# Allegro board RK3576_Template_LP5D315P132SD8_25x36_2400MHz_H1R6_V11_20240530YWQ.brd (continued)
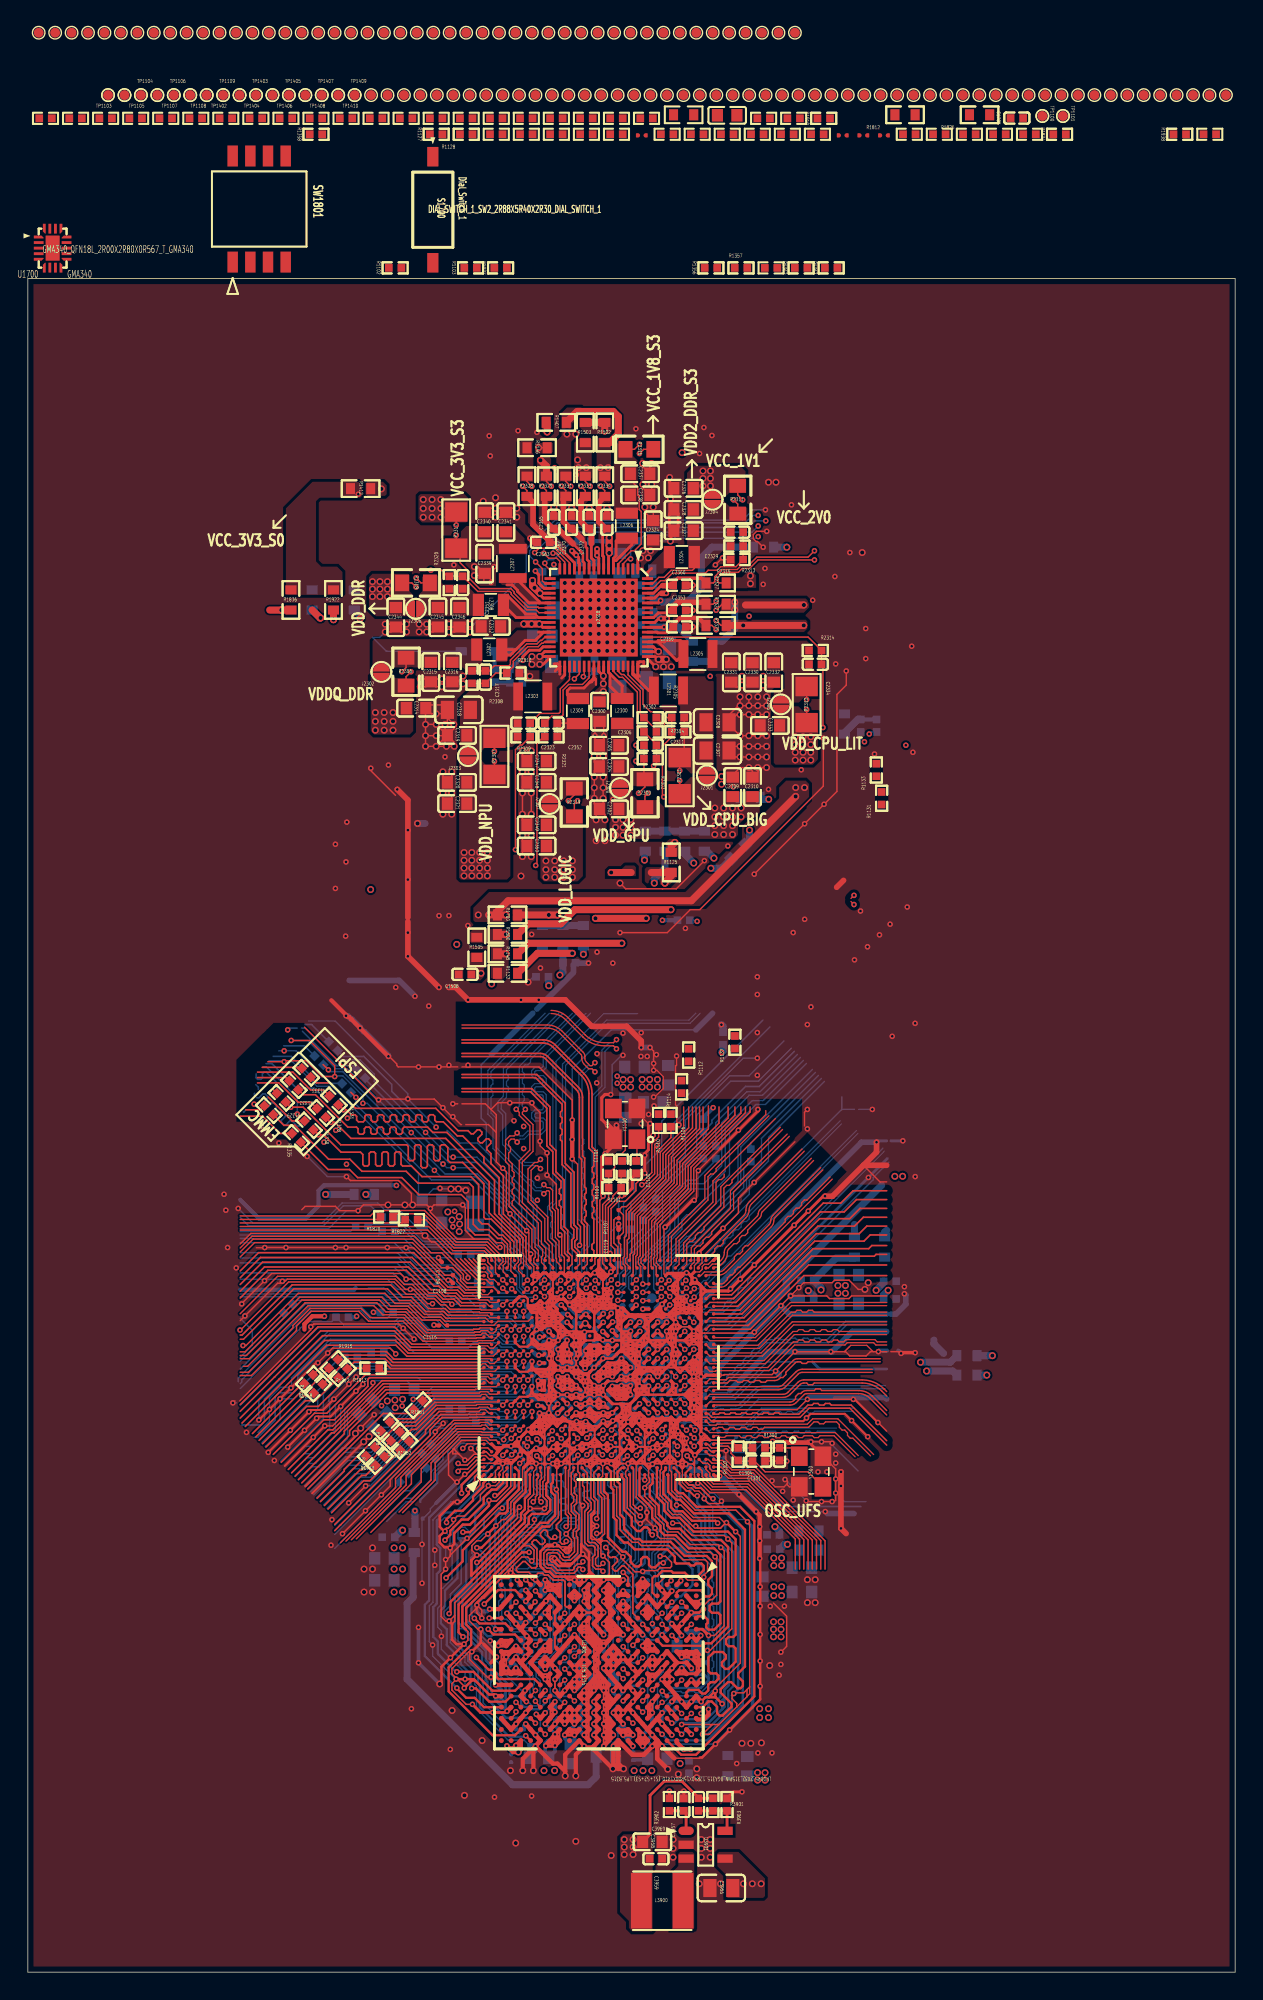
[diagram p0: board, top side]
## Routing (per net, layer and track width the routed paths; a pad name or vN(x,y) marks a point on that pad's centre or on a via; arc(x,y) is an arc through that point)
GND: length 3670
  TOP w0.089: v1(50.16,37.46) 50.15,37.45 50.15,36.81 50.55,36.41 ; 46.61,65.17 46.61,65.66 ; v1(56.26,38.1) v1(57.02,38.1) 57.03,38.11 57.67,38.11 57.68,38.1 ; 33.85,36.81 34.4,36.81 ; U1000.AJ29 48.17,51.04 47.89,50.76 47.89,50.3 48.27,50.3 48.45,50.49 48.45,50.7 48.61,50.85 48.89,50.85 49.18,51.13 U1000.AL29 ; v1(36.52,36.53) 36.52,36.14 36.34,35.96 36.34,34.45 ; 45.7,51.56 45.7,50.15 U1000.1AA24 ; 35.39,34.45 35.54,34.6 35.54,36.15 U1000.1D1 ; 39.2,48.21 38.65,48.21 ; 60.73,44.58 60.27,45.03 59.13,45.03 58.98,44.89 ; U1000.1B2 U1000.1C2 ; 33.87,35.86 33.87,35.9 34.1,36.12 34.1,36.35 34.04,36.41 ; Y1100.2 44.2,61.6 44.2,61.35 44.58,60.96 v1(44.7,60.96) ; v1(33.08,34.94) 33.6,34.94 33.87,35.21 33.87,35.25 ; v1(33.27,21.18) 33.02,21.18 32.77,21.44 ; v1(46.78,60.87) 46.78,60.92 46.63,61.08 46.63,62.21 46.53,62.31 46.53,63.42 ; 38,34.52 37.97,34.54 v1(37.97,34.67) 38,34.69 38,34.92 ; U1000.2P12 U1000.2R12 ; v1(44.96,62.86) 45.04,62.86 45.66,63.48 45.66,64.33 45.2,64.79 v1(44.96,64.79) ; 37.31,57.26 37.34,57.29 37.34,58.55 37.31,58.58 37.31,58.85 ; U1000.G29 36.07,50.96 36.35,50.68 36.35,50.29 36.42,50.23 ; U1000.2H5 U1000.2J5 ; U1000.B5 33.19,37.93 32.92,38.2 32.61,38.2 32.61,38.19 ; v1(48.59,34.02) 48.59,34.18 48.21,34.56 47.9,34.56 47.68,34.78 47.41,34.78 47.03,35.17 47.03,35.94 47.02,35.95 U1000.1AC1 ; 44.96,65.66 v1(44.96,65.28) ; 48.39,17.79 48.47,17.71 v1(48.47,17.08) 48.64,17.25 ; U1000.2T11 U1000.2U11 ; 31.62,50.08 v1(31.62,49.89)
  TOP w0.102: 37.47,32.01 38.11,32.65 38.11,34.41 38,34.52 ; 30.13,88.85 v2(29.34,89.64) ; 30.13,88.85 30.12,88.85 v2(29.34,88.06) ; 30.13,88.85 C2319.2 ; v2(29.34,89.64) v2(29.34,90.4) ; v2(29.34,89.64) v2(28.58,89.64) ; C2315.2 29.16,92.9 v2(29.74,92.9) ; C2315.2 29.3,92.34 v2(29.74,92.34) ; C2315.2 28.6,92.34 v2(28.19,92.34) ; C2315.2 28.75,92.9 v2(28.19,92.9) ; v1(47.28,36.49) 47.3,36.51 47.76,36.51 ; 40.45,32.7 40.45,31.18 40.55,31.08 40.81,31.08 ; 40.45,32.7 40.45,32.88 40.71,33.15 40.71,33.81 40.45,34.07 40.45,36.2 U1000.1M1 ; 40.45,32.7 40.51,32.77 40.51,32.41 ; 48.3,15.42 48.24,15.37 46.44,15.37 ; v1(48.54,26.08) 48.54,26.32 48.97,26.75 49.03,26.75 49.04,26.77 49.18,26.77 49.49,27.08 49.49,29.73 v1(49.37,29.84) 49.04,30.17 47.38,30.17 46.4,31.15 45.43,31.15 45.22,31.36 45.22,31.62 45.06,31.78 v1(45.06,31.9) 44.47,32.49 44.47,32.66 44.04,32.23 v1(44,32.23) 43.85,32.23 43.65,32.42 43.65,32.77 43.07,33.34 43.07,35.49 42.95,35.62 42.95,35.96 43.12,36.14 43.12,36.53 ; v2(31.27,92.54) 31.12,92.69 30.86,92.69 ; 37,36.53 37.01,36.53 37.12,36.65 37.24,36.53 37.25,36.53 ; 37,36.53 37.13,36.41 ; 37,36.53 v1(36.52,36.53) ; v1(36.47,28.18) 36.24,28.18 35.91,28.51 35.05,28.51 ; C2304.2 41.02,86.61 ; C2304.2 41.14,86.69 41.14,86.74 41.33,86.93 v2(41.33,87.37) ; C2304.2 41.14,86.53 41.14,86.49 41.33,86.3 v2(41.33,85.85) v2(41.33,85.09) v2(41.33,84.32) 41.33,83.83 C2302.2 ; 41.02,86.61 40.7,86.93 v2(40.7,87.37) ; 41.02,86.61 40.7,86.29 v2(40.7,85.85) v2(40.7,85.09) v2(40.7,84.32) 40.7,83.93 C2302.2 ; v2(32.08,100.97) 32.34,100.97 C2339.2 ; v1(29.07,48.02) 28.72,48.02 27.69,49.05 v1(27.48,49.05) 27.13,49.05 26.39,49.78 18.64,49.78 18.51,49.66 18.31,49.66 v1(18.29,49.63) 18.26,49.63 18.12,49.49 17.95,49.49 v1(15.6,47.14) 15.26,46.8 ; v2(30.25,96.28) 30.66,96.28 C2346.2 ; 30.86,92.69 C2316.2 ; 30.86,92.69 v2(31.27,93.1) ; 38,34.92 38,36.21 U1000.1H1 ; 31.47,60.89 33.09,60.89 33.66,60.32 ; 46.53,63.42 46.53,65.09 46.61,65.17 ; v1(40.12,48.54) 40.11,48.53 39.52,48.53 ; C2302.2 40.83,83.33 v2(40.83,82.78) ; C2302.2 41.46,83.16 v2(41.46,82.78) ; v2(30.46,84.71) 30.46,84.26 C2321.2 29.82,84.27 v2(29.82,84.71) ; 43.72,36.53 43.71,36.52 43.71,34.14 44.47,33.37 v1(44.47,33.02) ; v2(35.54,80.14) 35.54,80.58 C2350.2 ; 40.51,32.41 40.51,31.69 ; 40.51,32.41 v1(40.87,32.05) 40.51,31.69 ; 51.8,86.48 v2(51.8,86.53) ; v2(51.8,86.53) 52.07,86.27 C2310.2 52.76,86.53 ; v2(51.8,86.53) 51.17,86.53 50.64,86.01 C2309.2 ; v2(51.8,86.53) v2(52.44,86.53) 52.76,86.53 ; 40.51,31.69 40.51,31.37 40.81,31.08 ; 32.61,38.19 31.16,38.19 30.53,37.57 30.53,37.24 30.95,37.24 ; v1(31.34,23.57) 31.62,23.84 31.62,24.47 31.47,24.61 ; 51.86,20.49 51.86,20 51.67,19.81 ; 51.86,20.49 51.86,32.16 51.7,32.32 v1(51.7,32.36) 50.87,33.19 47.95,33.19 46.97,34.17 46.68,34.17 46.25,34.6 46.25,35.93 46.12,36.06 46.12,36.53 ; 51.86,20.49 51.67,20.3 ; 38.57,30.18 38.66,30.09 ; 38.57,30.18 38.44,30.31 ; 38.57,30.18 38.57,30.31 38.73,30.48 ; 38.66,30.09 38.84,30.09 ; 38.66,30.09 38.73,30.16 38.73,30.48 ; 39.06,30.8 39.06,31.07 38.68,31.45 v1(38.68,31.48) 38.68,31.52 39.03,31.87 39.03,32.82 38.84,33.01 38.84,36.04 38.91,36.12 38.91,36.4 ; 39.06,30.8 38.94,30.68 ; 39.06,30.8 39.06,30.48 ; 30.14,90.1 30.14,90.65 ; 30.14,90.1 30.14,89.81 v2(29.97,89.64) 29.97,89.02 C2319.2 ; 30.14,90.1 v2(30.61,89.64) 30.61,89.31 C2319.2 ; 30.14,90.65 C2318.2 30.12,90.68 29.76,91.03 28.82,91.03 C2314.2 ; 30.14,90.65 29.89,90.4 v2(29.34,90.4) ; 34.48,28.51 34.74,28.51 ; 34.48,28.51 34.52,28.55 34.52,28.85 ; 34.48,28.51 34.24,28.51 34.24,28.57 34.52,28.85 ; v1(29.97,31.67) 29.97,31.8 30.07,31.9 30.22,31.9 30.59,32.27 v1(30.59,32.5) 30.85,32.77 31.37,32.77 32.51,33.91 32.51,34.29 33.08,34.86 v1(33.08,34.94) ; v1(59.31,41.15) v1(56.01,41.15) 55.27,40.41 48.46,40.41 48.37,40.31 ; 41.44,31.49 41.44,34.18 41.17,34.44 41.17,35.49 41.3,35.62 41.3,36.51 v1(41.32,36.53) ; 32.06,52.65 31.43,53.28 31.43,54.93 v1(31.24,55.12) 29.18,55.12 v1(28.92,54.86) ; 32.06,52.65 33.11,52.65 33.7,52.06 v1(33.92,52.06) ; 32.06,52.65 30.86,52.65 28.92,54.59 v1(28.92,54.86) ; 38.44,30.31 38.61,30.48 38.73,30.48 ; 38.44,30.31 38.19,30.57 ; 50.55,36.41 50.67,36.29 52.26,36.29 53.69,34.86 54.34,34.86 54.57,35.1 ; v1(26.43,44.42) 26.43,44.42 26.03,44.83 21.89,44.83 v1(21.54,44.48) v1(20.84,43.78) ; v1(42.55,74.68) 45.94,74.68 47.59,76.33 48.28,76.33 57.15,85.2 v1(57.15,88.65) ; v1(55.92,33.87) 55.98,33.8 v1(57.02,33.8) v1(57.78,33.8) 57.94,33.8 58.04,33.91 v1(58.04,34.42) v1(58.04,35.43) 58.04,36.15 Y1300.4 ; v2(31.46,56.17) 31.37,56.26 v2(30.93,56.26) v2(30.4,56.26) ; 36.05,45.06 36.4,45.06 ; 38.73,30.48 38.66,30.55 38.28,30.55 38.12,30.71 38.04,30.71 ; 38.73,30.48 39.06,30.48 39.06,30.48 ; 38.73,30.48 38.84,30.59 ; v1(39.11,58.42) 39.5,58.04 39.5,53.76 39.7,53.55 39.7,52.29 v1(39.63,52.22) ; 36.34,34.45 36.34,34.31 35.96,33.93 35.96,33.44 v1(36.09,33.3) 36.09,33.3 v1(37.11,33.3) 37.31,33.5 37.31,33.85 37.13,34.03 37.01,34.15 37.01,35.23 37.13,35.35 37.13,36.41 ; 38.91,36.4 39.03,36.51 39.5,36.51 39.52,36.53 39.52,35.97 39.65,35.85 39.65,33.74 v1(39.86,33.52) 39.8,33.46 39.8,30.78 39.75,30.73 ; 38.91,36.4 38.91,36.53 38.92,36.53 ; 45.6,39.83 46.18,39.83 ; U1000.1W1 44.6,36.21 44.6,35.54 44.65,35.49 44.65,35.22 44.32,34.89 v1(44.32,34.8) 44.32,34.19 45.09,33.42 45.09,32.75 45.68,32.16 45.68,31.87 45.93,31.62 46.7,31.62 47.6,30.72 49.58,30.72 v1(49.79,30.51) 50.03,30.27 50.03,24.88 49.33,24.18 v1(48.9,24.18) ; v1(31.62,34.67) 32.16,34.67 32.48,35 32.48,35.45 v1(32.49,35.45) ; v2(29.34,88.06) 29.97,88.06 ; v2(29.34,88.06) v2(28.58,88.06) v2(28.58,88.82) ; 34.84,29.17 35.49,29.82 35.92,29.82 v1(36.2,29.54) 36.37,29.71 36.37,30.31 36.05,30.62 35.58,30.62 ; 34.84,29.17 34.65,28.98 ; 34.84,29.17 34.84,28.73 ; 34.52,28.85 34.65,28.98 ; 34.65,28.98 34.65,28.73 v1(34.68,28.69) 34.72,28.73 34.84,28.73 ; 41.46,28.28 41.78,28.6 ; 41.78,28.6 41.78,28.47 41.98,28.28 ; 41.78,28.6 41.78,29.44 v1(41.32,29.9) 41.17,30.05 41.17,30.71 40.81,31.08 ; v2(31.77,96.84) 31.22,96.84 C2346.2 ; v1(46.97,17.79) 49.18,17.79 ; 47.9,36.64 47.76,36.51 ; 47.9,36.64 47.9,37.11 v1(47.92,37.13) ; 47.9,36.64 47.9,36.37 ; 47.76,36.51 47.9,36.37 ; 50.11,32.24 49.69,32.66 47.82,32.66 46.92,33.55 v1(46.61,33.55) ; v1(29.84,39.42) 29.27,38.85 v1(29.27,38.82) 29.26,38.8 29.26,38.59 26.04,35.37 26.04,34.92 v1(25.4,34.29) v1(24.26,33.15) v1(22.61,31.5) ; 53.48,36.91 53.29,36.72 C1304.2 ; 53.48,36.91 53.67,36.72 53.96,36.72 C1301.2 54.47,36.76 v1(54.52,36.71) ; 53.48,36.91 v1(53.48,36.93) ; 47.9,36.37 47.9,35.56 48.09,35.37 48.09,35.18 v1(48.14,35.12) 48.33,35.12 49,34.46 50.95,34.46 v1(51.1,34.31) ; v1(30.47,47.98) 30.31,48.14 29.75,48.14 29.31,48.58 28.74,48.58 27.53,49.78 v1(27.18,49.78) 26.77,50.19 17.53,50.19 v1(17,49.67) 15.26,47.92 ; v2(31.77,96.28) 31.36,96.28 C2346.2 ; 29.97,88.06 v2(30.07,88.06) 30.61,88.06 30.61,88.38 C2319.2 ; 29.97,88.06 29.97,88.68 30.12,88.82 ; C2314.2 28.58,90.79 v2(28.58,89.64) ; C2314.2 29,90.4 v2(29.34,90.4) ; v1(48.61,79.84) 46.59,77.83 45.6,77.83 45.6,77.83 42.95,77.83 v2(42.55,78.23) ; C2308.2 50.93,90.34 v2(51.17,90.34) v2(51.8,90.34) v2(52.44,90.34) v2(53.07,90.34) ; C2308.2 50.38,89.61 v2(51.17,88.82) v2(51.8,88.82) v2(52.44,88.82) v2(53.07,88.82) ; C2308.2 50.38,90.31 51.04,90.98 v2(51.17,90.98) ; 38.84,30.09 39.06,30.3 39.06,30.48 ; 38.84,30.09 38.84,30.1 ; v2(44.82,106.87) 44.82,106.25 C2338.2 44.18,106.62 v2(44.18,106.87) ; v1(53.09,103.5) 52.36,103.5 52.12,103.27 52.12,102.98 52.33,102.77 52.42,102.77 v1(52.83,102.36) ; v2(35.13,105.16) 34.63,105.16 C2341.2 ; 30.95,37.24 30.64,37.55 30.64,37.63 30.23,37.21 30.23,35.72 30.74,35.2 v1(30.83,35.2) 30.84,35.21 v1(31.39,35.76) 31.51,35.76 32.31,36.56 33.55,36.56 ; 30.95,37.24 v1(31.4,36.79) 31.63,36.79 32.04,37.2 32.25,37.2 ; 55.11,59.65 v1(52.19,56.73) 51.05,55.6 51.05,54.55 v1(49.94,53.44) ; 32.77,23.54 32.54,23.76 ; v1(46.33,32.26) 46.84,32.26 47.72,31.37 47.75,31.37 47.75,31.37 50.04,31.37 v1(50.29,31.11) 50.58,30.83 50.58,24.67 49.02,23.11 v1(48.82,23.11) ; v1(35.32,33.4) 35.18,33.26 35.18,32.64 32.5,29.96 v1(32.26,29.96) 31.91,30.31 31.91,30.64 32.26,30.99 32.55,30.99 v1(33.05,31.48) ; 33.27,61.98 32.87,62.38 31.19,62.38 ; 33.27,61.98 33.66,61.59 33.66,60.32 ; 33.27,61.98 33.75,62.46 36.21,62.46 v1(36.21,62.45) 36.21,62.34 36.8,61.75 v1(36.8,59.69) 36.8,59.36 37.31,58.85 ; v1(33.62,32.06) 34.08,32.51 34.29,32.51 34.7,32.93 34.7,33.77 35.39,34.45 ; v2(44.17,108.38) 44.17,108.16 C2337.2 44.69,108.26 v2(44.81,108.38) ; 38.84,30.1 38.94,30.19 38.94,30.68 ; 38.84,30.1 38.84,30.59 ; 26.42,84.54 24.64,86.32 v1(24.64,86.49) ; 54.57,35.1 54.57,35.01 54.71,34.86 Y1300.2 ; 54.57,35.1 54.57,35.29 54.47,35.39 v1(54.4,35.39) ; v2(30.25,96.84) 30.46,96.63 C2346.2 ; v1(24.79,42.34) 24.79,42.13 21.9,39.24 v1(21.33,39.24) ; 49.74,59.15 48.17,57.58 v1(48.17,57.58) 48.17,57.58 48.04,57.45 48.04,55.61 v1(47.88,55.45) ; 45.44,108.38 45.43,108.38 ; 34.72,36.53 34.7,36.51 34.7,34.88 33.65,33.83 33.2,33.83 v1(33.13,33.89) ; v1(48.47,17.08) 48.97,17.08 49.67,17.79 ; v2(30.46,86.23) 30.46,85.78 C2320.2 29.82,85.79 v2(29.82,86.23) ; v1(44.11,56.57) 44.25,56.57 45.03,57.35 45.03,59.24 v1(45.18,59.4) ; v1(56.01,61.98) 55.8,61.77 55.8,60.79 ; 62.01,44.58 62.61,44.58 v1(62.74,44.45) 62.76,44.42 ; v2(51.8,91.61) v2(51.8,90.98) ; v2(51.8,90.98) v2(51.17,90.98) ; v2(51.8,90.98) v2(52.44,90.98) v2(53.07,90.98) v2(53.07,91.61) ; v1(36.13,51.6) 36,51.73 36,53.1 v1(35.84,53.26) 35.83,53.26 34.64,54.45 v1(34.64,54.48) 34.62,54.48 34.38,54.71 34.38,57.49 v1(34.12,57.75) 33.66,58.21 33.66,60.32 ; 49.18,17.79 48.64,17.25 ; 49.18,17.79 49.67,17.79 ; v1(22.89,57.15) 23.18,56.87 26.63,56.87 27.56,55.94 27.56,55.21 v2(27.65,55.12) ; 51.67,20.3 51.67,19.81 ; 51.67,20.3 51.43,20.07 50.77,20.07 v1(50.72,20.02) 50.6,19.89 50.6,19.64 50.93,19.31 50.93,19.05 ; 61.7,56.77 61.22,56.77 60.03,57.96 ; v1(45.78,53.52) 45.78,53.48 45.7,53.4 45.7,51.56 ; v2(60.14,49.05) 59.67,49.05 59,49.71 57.96,49.71 57.79,49.53 55.75,49.53 v1(55.4,49.17) v1(54.8,48.58) ; 37.85,29.45 37.64,29.45 37.5,29.59 ; 37.25,36.53 37.13,36.41 ; 37.25,36.53 37.71,36.53 v1(37.72,36.53) ; 48.15,45.08 47.55,45.08 U1000.2U9 ; 50.93,19.05 51.67,19.79 51.67,19.81 ; 50.93,19.05 49.67,17.79 ; C2348.2 35.54,85.15 v2(35.54,84.71) v2(35.54,83.18) 35.54,82.74 C2349.2 36.17,82.74 v2(36.17,83.18) v2(36.17,84.71) 36.17,85.15 C2348.2 ; C2348.2 36.17,85.78 v2(36.17,86.23) ; C2348.2 35.54,85.79 v2(35.54,86.23) ; 31.19,65.03 31.5,65.03 v1(31.62,65.15) 31.74,65.03 36.72,65.03 39.12,62.64 v1(39.12,61.21) ; 40.81,31.08 41.02,31.08 ; v2(35.13,104.52) 34.7,104.52 C2341.2 ; 38.94,30.68 38.84,30.59 ; v1(49.39,20.21) 49.39,20.41 51.19,22.21 51.19,31.31 v1(50.85,31.64) ; v1(50.16,37.46) 50.16,37.46 49.35,37.46 U1000.AL4 49.11,37.38 48.83,37.66 48.45,37.66 48.36,37.57 ; 52.76,86.53 v2(53.07,86.53) ; C2319.2 30.12,88.82 ; 30.12,88.82 v2(29.34,88.82) v2(28.58,88.82) ; 15.26,52.31 16.02,53.07 28.38,53.07 28.54,52.92 v2(28.54,52.91) 28.99,52.45 29.25,52.45 31.62,50.08 ; v1(44.7,66.42) 44.96,66.17 44.96,65.66 ; U1000.1M20 U1000.1L20 U1000.1K20 ; 38.45,45.73 39.05,45.73 ; 41.15,30.86 41.28,30.99 41.6,30.99 42.75,29.84 v1(42.75,29.82) 42.75,29.63 43.62,28.76 44.15,28.76 v1(44.17,28.79) 44.2,28.79 44.26,28.85 45.22,28.85 45.43,29.05 46.15,29.05 46.25,29.15 46.25,29.44 45.82,29.88 v1(45.42,29.88) ; v1(25.91,65.79) 25.96,65.79 26.51,65.24 26.51,65.13 26.61,65.03 v1(28.07,65.03) v1(29.54,65.03) 30.89,65.03 ; U3900.E1 45.72,28.33 45.72,28.36 45.82,28.46 47.11,28.46 47.4,28.16 48.35,28.16 v1(48.56,28.37) 48.56,28.5 48.83,28.77 48.83,29.45 48.66,29.63 47.08,29.63 46.06,30.65 44.08,30.65 43.84,30.88 43.42,30.88 42.57,31.74 42.57,32.51 42.53,32.55 42.3,32.77 42.3,34.84 42.13,35.01 42.13,36.14 U1000.1R1 ; 30.35,29.95 30.35,29.88 30.11,29.64 v1(30.02,29.64) v1(30.02,28.95) 30.02,28.9 29.7,28.58 29.7,25.55 30.02,25.22 v1(30.27,25.22) 30.67,25.63 ; 30.35,29.95 v1(30.35,30.48) ; 30.35,29.95 v1(31.55,31.16) 31.67,31.16 33.84,33.34 v1(34.08,33.34) ; 30.67,25.63 30.67,25.21 30.48,25.01 ; 30.67,25.63 30.67,26.52 36.4,32.25 v1(36.4,32.51) ; 48.45,38.21 50.77,38.21 50.9,38.09 53.46,38.09 v1(53.5,38.13) ; v1(34.12,36.53) 34.04,36.45 34.04,36.41 ; 33.55,37.11 33.21,37.11 32.93,37.38 U1000.A4 32.7,37.31 32.52,37.31 32.5,37.3 32.5,37.3 32.41,37.2 32.25,37.2 ; 33.87,35.86 U1000.C1 ; R2315.2 49.78,101.48 v1(49.4,101.1) ; v1(27.75,45.47) v1(26.97,46.26) 26.66,46.56 20.54,46.56 20.34,46.36 v1(20.33,46.36) 20.33,46.14 15.22,41.04 ; U1000.1F3 U1000.1E3 U1000.1E2 ; 57.68,38.1 v1(57.78,37.99) ; v1(48.59,34.02) 48.59,33.96 48.89,33.66 49.67,33.66 v1(49.83,33.83) ; 48.37,45.9 48.6,45.9 48.61,45.91 52.13,45.91 v1(52.2,45.97) v1(54.1,47.88) v1(54.8,48.58) ; 37.77,43.76 37.75,43.78 37.75,44.38 U1000.2B8 ; v1(30.2,49.71) 30.04,49.71 27.71,52.04 v1(27.18,52.04) 27.17,52.05 v1(25.83,52.05) v1(22.86,52.05) v1(22.1,52.05) v1(18.54,52.05) v1(17.02,52.05) 17,52.04 16.42,52.04 ; 58.67,44.58 v1(57.69,44.58) v1(55.12,44.58) v1(53.72,43.18) 53.47,42.93 50.04,42.93 50,42.88 v1(49.66,42.88) ; 58.67,44.58 58.98,44.89 ; 58.67,44.58 58.75,44.58 59.05,44.27 60.23,44.27 60.54,44.58 v1(61.11,44.58) 61.7,44.58 ; 37.42,40.16 36.82,40.16 ; C2344.2 26.23,96.84 v2(25.68,96.84) ; C2344.2 26.64,96.84 v2(27.2,96.84) ; C2344.2 26.09,96.28 v2(25.68,96.28) ; C2344.2 26.79,96.28 v2(27.2,96.28) ; 37.72,42.51 37.72,43.06 U1000.2B6 37.84,43.18 38.35,43.18 U1000.2C6 ; 35.05,28.51 34.84,28.51 34.68,28.67 ; 35.05,28.51 34.84,28.73 ; 35.97,41.38 36.3,41.38 36.39,41.47 ; U1000.2K5 43,42.48 43.6,42.48 U1000.2L5 ; 30.85,21.05 31.35,20.54 v1(31.35,20.41) ; C2341.2 34.06,105.16 v2(33.6,105.16) 33.1,105.16 C2340.2 33.17,104.52 v2(33.6,104.52) 33.99,104.52 C2341.2 ; C2350.2 36.17,80.58 v2(36.17,80.14) ; C2350.2 35.54,81.22 v2(35.54,81.66) ; C2350.2 36.17,81.21 v2(36.17,81.66) ; U1000.1AC2 47.01,36.85 47.01,37.42 U1000.1AC3 ; v2(53.07,88.06) v2(52.44,88.06) v2(51.8,88.06) v2(51.17,88.06) 50.68,88.06 C2307.2 50.84,87.3 v2(51.17,87.3) v2(51.8,87.3) v2(52.44,87.3) v2(53.07,87.3) ; v1(23.58,42.76) v1(23.07,42.24) v1(21.99,41.16) ; 53.57,26.52 54.52,25.57 54.52,23.4 v1(54.1,22.99) ; 31.16,60.89 31.1,60.89 v1(30.53,61.45) 30.47,61.45 v1(29.82,62.1) 29.2,62.72 27.31,62.72 v1(27.3,62.73) 27.29,62.72 25.04,62.72 19.88,67.88 ; 32.25,37.2 v1(31.83,37.63) ; U1000.T29 41.1,51.21 41.1,55.45 41.33,55.68 v1(41.33,55.75) ; v1(18.92,66.93) 20.24,66.93 22.05,65.12 v1(22.05,64.34) 21.13,64.34 20,65.47 18.48,65.47 v1(18.41,65.41) 17.25,65.41 ; 38.55,50.11 38.55,51.34 38.36,51.53 38.36,52.83 v1(38.23,52.96) 38.1,53.09 38.1,54.77 37.97,54.9 37.97,56.6 37.31,57.26 ; 37.5,29.59 37.63,29.72 v1(37.85,29.72) 37.85,29.91 37.6,29.91 37.5,29.81 37.5,29.59 ; 43.12,36.53 v1(43.12,36.54) ; 43.12,36.53 42.8,36.53 ; 37.72,41.86 37.72,42.41 ; v1(47.98,32.04) 47.77,32.04 46.94,32.88 46.32,32.88 45.97,33.23 45.97,33.71 45.43,34.25 45.43,36.03 45.52,36.12 45.52,36.53 ; v2(27.65,55.12) v2(27.09,55.12) v2(25.88,55.12) 24.11,55.12 23.73,54.73 v1(23.73,54.7) 22.41,54.7 22.1,55.01 19.93,55.01 19.69,54.77 ; v2(27.65,55.12) 28.66,55.12 v1(28.92,54.86) ; 43.65,43.13 43.65,43.73 ; 38.19,30.57 38.01,30.57 v1(37.86,30.71) 38.04,30.71 ; 38.19,30.57 38.04,30.71 ; R2305.2 45.59,89.69 v1(45.59,89.66) ; v1(54.8,48.58) 57.4,48.58 57.6,48.39 58.99,48.39 59.18,48.58 61.7,48.58 ; v2(28.58,88.82) v2(28.58,89.64) ; 61.7,38.87 61.16,39.41 ; v1(58.8,93.47) 58.8,92.46 58.13,91.78 58.13,84.82 v1(57.2,83.89) v1(55.81,82.5) v1(52.19,78.88) ; 39.7,41.18 39.1,41.18 ; 24.38,35.04 v1(24.27,34.92) v1(23.05,33.71) ; v2(28.11,96.84) v2(28.65,96.84) 29.25,96.84 C2345.2 29.11,96.28 v2(28.65,96.28) v2(28.11,96.28) ; U1000.AL8 49.11,39.58 48.83,39.86 48.79,39.86 48.79,39.86 48.45,39.86 48.44,39.85 48.28,39.85 48.27,39.86 U1000.2V1 ; v1(42.66,55.77) 42.54,55.77 41.7,54.94 41.7,51.76 v1(41.83,51.63) 41.85,51.62 41.85,50.86 ; v1(30.53,62.38) 30.89,62.38 ; 32.77,100.43 32.77,99.83 ; 32.77,100.43 32.66,100.33 v2(32.08,100.33) ; 32.77,100.43 C2339.2 ; 32.77,21.44 31.75,22.45 31.75,22.87 v1(31.9,23.02) 31.69,23.02 30.47,21.8 30.47,21.42 30.77,21.12 v1(30.77,21.05) 30.77,21.02 30.47,20.72 30.47,20.27 31.5,19.24 v1(31.94,19.24) ; v1(32.54,24.63) 32.33,24.63 31.73,25.23 31.73,25.63 32.26,26.17 ; 32.26,26.17 v1(32.26,26.37) 32.61,26.02 v1(32.61,25.43) 32.26,25.79 32.26,26.17 ; v1(44.96,65.28) v1(44.96,64.79) ; v1(33.27,99.83) 33.27,100.03 C2339.2 ; 14.87,41.04 v1(14.73,40.89) ; C2330.2 51.85,92.46 v2(51.31,92.46) 51.18,92.33 50.88,92.33 C2331.2 ; v2(44.33,105.24) 44.33,104.88 C2324.2 44.94,104.29 v2(44.94,105.24) ; 42.35,42.48 42.95,42.48 ; v2(51.17,90.98) v2(51.17,91.61) ; 46.61,65.66 v1(46.61,65.81) ; 23.53,38.49 v2(23.53,38.7) v2(23.91,39.08) 23.91,39.08 v1(24.88,40.05) ; 37.75,45.03 37.75,44.43 ; v2(36.17,87.73) 36.17,87.31 C2347.2 35.54,87.31 v2(35.54,87.73) ; 47.05,37.46 47.6,37.46 ; C2305.2 40.74,88.46 v1(40.74,88.82) 40.74,89.52 C2300.2 41.38,89.55 v1(41.38,88.82) 41.38,88.45 C2305.2
  TOP w0.107: U1000.C1 33.87,35.25 ; 41.02,31.08 41.44,31.49 ; 44.47,33 v1(44.47,33.02) ; 41.15,30.86 41.15,30.73
  TOP w0.114: 44.32,37.73 44.92,37.73 44.9,37.71
  TOP w0.127: v1(50.2,32.29) 50.16,32.29 49.76,31.9 48.13,31.9 v1(47.98,32.04) ; 37.87,25.83 37.87,25.03 ; v1(37.87,20.23) v1(37.87,21.03) ; 37.97,23.28 37.87,23.38 37.87,24.28
  TOP w0.14: 35.36,37.7 35.36,37.2 35.31,37.15 35.31,37.12 ; 41.88,37.75 41.9,37.75 41.92,37.73 42.52,37.73 ; U1000.1AC5 U1000.1AC4 ; 42.52,37.73 42.52,39.47 42.55,39.5 ; 42.52,37.73 42.52,36.53 42.8,36.53 ; 44.32,37.73 44.32,38.93 ; 44.32,37.73 43.72,37.73 ; 44.32,37.73 44.32,36.53 ; v1(47.28,36.49) 47.23,36.53 v1(46.72,36.53) 46.12,36.53 ; v1(36.52,36.53) 35.92,36.53 ; 45.46,39.75 45.22,39.51 U1000.1Y6 U1000.1W6 U1000.1V6 ; 38.92,36.53 38.95,36.51 39.03,36.51 ; 38.92,36.53 v1(38.32,36.53) v1(37.72,36.53) ; 38.92,36.53 38.92,38.93 ; 37.72,48.53 37.72,49.73 ; 42.07,39.61 42.44,39.61 ; v1(41.92,36.53) v1(41.32,36.53) 41.27,36.53 ; 41.97,39.55 41.38,39.55 v1(41.35,39.58) ; 43.72,36.54 v1(43.12,36.54) ; U1000.1AB6 U1000.1AB5 ; 47.05,37.46 47.05,38.01 ; 45.48,37.79 45.46,37.77 45.04,37.77 44.95,37.68 ; 34.72,36.53 v1(34.12,36.53) 33.57,36.53 33.55,36.56 ; 39.85,38.01 40.4,38.01 ; v1(46.72,38.86) 46.72,38.43 v1(46.73,38.42) 46.71,38.4 46.18,38.4 ; 37.58,39.4 37.42,39.23 ; 40.08,37.69 39.57,37.69 ; 39.48,38.97 39.44,38.93 38.92,38.93 ; 45.56,37.77 46.08,37.77 ; 38.92,39.54 38.92,38.93 ; 46.55,39.53 46.72,39.36 46.72,38.93 ; v1(40.12,37.73) 40.72,37.73 40.72,37.13 ; 40.06,39.57 40.04,39.56 39.5,39.56 ; 41.27,36.53 40.21,36.53 ; 41.27,36.53 41.3,36.56 ; v1(39.4,44.73) v1(39.4,44.08) 39.4,43.44 v1(39.39,43.43) v1(39.39,42.78) ; 39.85,38.66 39.85,39.21 ; v1(39.42,39.56) 38.89,39.56 38.87,39.54 ; U1000.1E5 U1000.1E6 U1000.1F6 ; 39.52,36.53 40.21,36.53 ; 40.21,36.53 v1(40.17,36.49) ; 41.67,36.78 42.17,36.78 U1000.1R2 ; v1(44.88,36.49) 44.84,36.53 44.32,36.53 ; U1000.1N6 U1000.1M6 U1000.1L6 ; U1000.1N2 U1000.1M2 ; 34.81,37.82 35.23,37.82 ; 38.8,39.56 38.34,39.56 ; 40.4,36.81 39.85,36.81 ; U1000.1F6 U1000.1G6 ; U1000.1F6 U1000.1F5 ; 38.97,37.69 v1(39.48,37.69) ; 44.92,36.53 46.12,36.53 ; 41.32,49.13 41.32,49.73 ; 44.32,36.53 43.72,36.53 ; U1000.1N4 U1000.1M4 ; U1000.1H4 U1000.1H3 ; U1000.2R1 46.12,39.76 46.12,36.53 ; 34.04,28.32 34.01,28.32 33.53,27.83 33.53,27.8 ; 38.88,37.78 38.37,37.78 ; 37.12,36.42 37.12,38.93 ; v1(38.28,37.78) 38.28,37.78 37.77,37.78 ; v1(40.12,38.93) 40.72,38.93 40.72,38.33 ; 37.02,37.64 36.62,37.64 ; U1000.1K6 39.27,39.28 39.77,39.28 ; 41.07,36.78 41.57,36.78
  TOP w0.152: 48.37,43.95 48.15,44.17 47.93,44.17 ; U1000.2A11 36.83,46.36 36.58,46.61 ; 47.65,49.46 48.2,49.46 ; 36.01,43.22 36.26,43.22 36.35,43.31 ; 36.01,43.22 U1000.1E13 ; 36.01,43.22 35.92,43.13 35.32,43.13 U1000.1C13 ; 48.23,44.47 48.23,45 U1000.2V9 47.85,45.38 47.2,45.38 ; U1000.2R5 46.27,42.41 46.27,41.86 U1000.2R4 ; v1(47.9,44.17) 47.85,44.11 v1(47.85,42.78) v1(48.37,42.78) ; 47.85,43.43 45.9,43.43 ; v1(60.34,38.47) v1(59.18,39.62) 58.7,40.11 56.24,40.11 v1(55.94,39.81) 55.71,39.58 U1000.AL8 ; v1(38.32,48.53) 37.72,48.53 37.72,47.93 ; 46.55,44.73 v1(46.55,44.08) ; 45.81,47.24 45.78,47.24 ; 45.78,47.24 45.52,47.51 ; 45.78,47.24 45.29,47.24 45.22,47.31 ; 45.52,47.51 45.39,47.63 U1000.1Y20 45.57,47.28 U1000.2P12 ; 45.52,47.51 45.52,47.93 ; U1000.2R7 U1000.2R8 ; U1000.2F6 40.29,43.03 39.8,43.03 ; 36.8,46.68 38.1,46.68 ; U1000.1G20 U1000.1G21 ; v1(59.31,41.15) 59.41,41.15 v1(61.07,39.48) 61.15,39.41 61.16,39.41 ; U1000.2R11 U1000.2R10 46.22,45.06 ; 38.68,50.09 38.74,50.03 U1000.1K24 U1000.1L24 ; 41.05,47.66 41.6,47.66 ; 43.18,38.28 43.18,37.8 ; U1000.2M12 44.32,46.96 44.32,46.41 ; U1000.2M12 44.22,47.06 43.67,47.06 ; U1000.2M12 U1000.2N12 ; 39.52,47.93 40.72,47.93 ; 48.37,48.09 48.21,47.93 v1(47.92,47.93) v1(47.32,47.93) ; 19.94,34.89 23.53,38.49 ; 37.49,48.76 37.49,48.3 ; U1000.1C9 35.32,41.33 35.92,41.33 U1000.1E10 ; v1(46.55,44.73) 46.55,45.38 ; v1(41.34,42.13) 41.34,42.13 v1(40.7,42.13) 40.05,42.13 ; U1000.1L21 U1000.1M21 ; U1000.1AB20 U1000.1AC20 U1000.1AD20 U1000.1AE20 ; 47.67,49.98 47.67,49.48 ; v1(21.33,39.24) v1(20.51,38.42) 18.46,36.37 ; v1(47.32,38.33) 47.32,37.73 ; 39.4,42.78 39.94,42.78 40,42.73 v1(40.05,42.73) v1(40.05,42.13) v1(40.05,41.48) ; 39.52,48.53 39.52,49.68 39.55,49.71 ; U1000.2U3 U1000.2V3 ; 47.92,47.33 46.72,47.33 46.55,47.16 v1(46.55,46.68) v1(46.55,46.03) ; 47.2,41.48 48.24,41.48 48.37,41.35 ; 40.72,47.93 v1(40.72,48.53) ; 40.72,47.93 40.72,47.33 ; 40.72,47.93 41.92,47.93 41.92,48.51 v1(41.9,48.53) 41.92,48.56 v1(41.92,49.13) 41.32,49.13 41.32,48.53 v1(40.72,48.53) ; U1000.1AB23 U1000.1AB22 ; U1000.2L7 U1000.2L8 ; v1(47.32,47.93) v1(47.32,48.53) 46.72,48.53 ; v1(47.32,47.93) 46.72,47.93 46.72,48.53 ; 48.17,45.06 U1000.2V10 U1000.2U10 ; U1000.2E6 U1000.2D6 39,43.18 38.49,43.18 U1000.2C6 ; 35.92,47.88 35.92,48.36 35.75,48.53 35.32,48.53 ; 35.92,47.88 35.92,47.7 36.12,47.5 ; 35.92,47.88 36.17,47.63 36.22,47.63 ; 36.52,47.93 37.07,47.93 v1(37.12,47.88) ; 20.43,34.4 v2(24.13,38.1) 24.51,38.48 v2(24.52,38.48) ; v1(40.72,48.53) 40.13,48.53 v1(40.12,48.54) ; U1000.2M9 U1000.2L9 43.03,45.06 43,45.03 ; v1(24.07,42.23) v1(23.57,41.74) v1(22.48,40.64) 21.76,39.92 20.87,39.92 v1(20.75,39.79) v1(19.88,38.92) v1(18.67,37.72) ; U1000.2V5 U1000.2U5 ; 42.65,46.03 43.3,46.03 43.3,45.38 42.65,45.38 ; 39.4,46.03 38.1,46.03 ; 46.72,48.53 46.72,49.73 ; U1000.1C16 35.32,44.93 35.92,44.93 U1000.1E16 ; 36.58,46.99 36.59,47.01 U1000.2A12 U1000.2B12 U1000.2C12 ; 39.89,48.77 40.36,48.77 ; 40.32,43.06 40.32,42.51 ; 40.51,32.77 40.71,32.97 40.71,33.15 ; 43.02,47.06 43.57,47.06 ; U1000.2V2 U1000.2V1 48.17,39.28 ; v1(21.99,41.16) 21.21,40.39 20.32,40.39 v1(20.19,40.26) v1(18.86,38.93) v1(17.27,37.34) ; U1000.1G24 U1000.1H24 ; v1(20.84,43.78) 20.71,43.78 v1(18.91,41.97) v1(18.12,41.19) v1(17.36,40.43) v1(16.6,39.66) ; v1(45.9,46.03) 45.9,45.39 ; 37.17,46.41 37.72,46.41 U1000.2B11 U1000.2C11 ; 46.27,44.46 46.27,45.01 ; v1(43.29,42.78) 42.65,42.78 ; U1000.2G10 40.77,45.46 ; U1000.2U4 U1000.2V4 ; 36.25,38.66 36.8,38.66 ; 42.37,46.41 42.37,47.06 ; 44.97,47.06 45.52,47.06 ; U1000.2U7 U1000.2V7 ; 46.5,47.71 46.5,48.16 ; U1000.1E24 U1000.1F24 ; U1000.2F4 U1000.2G4 ; 40.7,45.38 40.05,45.38
  TOP w0.178: 43.28,40.82 42.66,40.82 ; 42.66,40.82 U1000.2K2 ; 42.66,40.82 42.01,40.82 ; 42.65,47.33 42.65,45.38 ; v1(39.27,28.18) 39.26,28.2 38.82,28.2 38.6,28.42 ; v1(41.31,45.42) 41.35,45.38 v1(42,45.38) 42,45.38 42.65,45.38 ; 44.47,32.66 44.47,33 ; 43.95,44.73 43.95,44.08 ; 44.6,41.48 46.55,41.48 ; 44.6,41.48 v1(44.6,42.1) ; 44.6,41.48 43.95,41.48 43.95,41.48 v1(43.95,42.1) ; 40.7,46.03 40.7,47.31 40.72,47.33 ; 40.7,46.03 40.7,46.03 ; 40.7,46.03 40.05,46.03 v1(40,45.98) ; v1(36.09,33.3) 36.09,33.24 35.71,32.86 35.71,32.33 31.87,28.49 31.87,29.59 32.23,29.96 v1(32.26,29.96) ; v1(32.54,24.63) 32.54,23.66 v1(31.9,23.02) ; v1(30.27,25.22) 30.48,25.01 30.48,23.88 30.79,23.57 v1(31.34,23.57) v1(30.37,22.59) 29.72,21.95 29.72,20.83 v2(29.59,20.7) ; 37.21,30.6 36.82,30.22 36.82,29.17 37.22,28.77 37.49,28.77 37.85,28.42 38.6,28.42 ; 37.21,30.6 37.32,30.71 v1(37.86,30.71) 37.75,30.6 37.21,30.6 ; 49.42,19.75 48.93,19.75 ; 49.42,19.75 49.39,19.77 v1(49.39,20.21) 48.93,19.75 ; 49.42,19.75 v1(49.89,19.28) ; 48.93,19.75 48.68,19.75 v1(48.37,19.43) ; 36.83,44.77 36.68,44.77 36.4,45.06 ; 36.83,44.77 37.41,44.77 ; 36.83,44.77 U1000.2A9 ; 42,44.09 41.99,44.08 41.33,44.08 v1(41.33,44.08) ; v1(39.88,30.03) 39.76,30.03 39.08,29.34 ; v1(39.88,30.03) 39.9,30.03 40.32,29.6 ; v1(39.88,30.03) 39.75,30.15 39.75,30.73 40.32,30.17 40.32,29.6 ; v1(48.54,26.08) 48.49,26.08 48.24,25.83 v1(47.67,25.83) ; 39.08,29.34 38.91,29.17 38.13,29.17 37.85,29.45 v1(37.85,29.72) 37.97,29.72 38.35,29.34 39.08,29.34 ; 29.92,31.66 29.58,31.32 29.58,30.87 29.93,30.53 30.3,30.53 v1(30.35,30.48) 30.63,30.76 30.63,31.53 31.25,32.15 31.77,32.15 33.13,33.51 v1(33.13,33.89) ; 29.92,31.66 29.93,31.67 v1(29.97,31.67) ; 29.92,31.66 29.59,31.99 29.59,32.77 30.61,33.78 v1(30.86,33.78) 31.09,33.78 31.68,34.36 31.68,34.62 v1(31.62,34.67) ; v1(50.2,32.29) 50.2,32.29 v1(50.85,31.64) ; 48.3,15.42 48.44,15.42 v1(49.4,16.38) v1(50.42,17.4) 52.62,19.6 v1(52.62,20.54) v1(52.62,22.35) v1(52.62,24.26) v1(52.62,26.29) v1(52.62,27.69) 52.62,29.68 v1(52.58,29.72) ; 44.62,45.38 44.6,45.41 44.6,46.68 ; 44.62,45.38 44.61,45.37 ; 44.62,45.38 45.25,45.38 45.25,45.39 45.89,45.39 ; 44.6,43.43 43.95,43.43 43.95,44.03 v1(43.92,44.06) ; 31.47,24.61 31.22,24.87 31.22,26.27 36.96,32.01 37.47,32.01 ; 47.2,41.48 47.2,41.48 46.55,41.48 ; 40.32,29.6 40.32,28.85 ; 46.55,41.48 46.55,41.48 v1(46.55,42.13) ; 46.55,41.48 U1000.2R4 ; 46.55,43.43 v1(46.55,44.08) ; 37.45,41.48 37.45,42.78 36.87,42.78 ; v1(43.94,42.78) 43.95,42.78 43.95,42.13 ; v1(31.35,20.41) 31.9,20.96 32.13,20.96 ; 40.51,32 40.55,32.05 v1(40.87,32.05) ; v1(37.45,44.08) v1(37.45,45.38) v1(38.1,45.38) 38.1,46.03 ; v1(37.42,40.18) 37.45,40.21 37.45,40.83 v1(37.42,40.86) ; 43.69,41.23 43.69,41.74 ; 40.32,28.85 40.89,28.28 ; 40.32,28.85 40.32,28.53 ; 32.13,20.96 32.04,21.05 v1(31.41,21.05) 30.83,21.05 30.82,21.05 v1(30.77,21.05) ; 32.13,20.96 33.14,19.95 33.5,19.95 v1(33.61,19.83) ; 39.4,46.03 39.4,46.03 39.4,47.46 ; 42.65,44.73 42.65,45.38 ; 36.87,42.78 37.12,43.03 U1000.2A6 ; 36.87,42.78 36.55,43.11 ; U1000.1P22 U1000.1P21 ; v1(34.68,28.69) 34.68,28.57 34.74,28.51 34.54,28.32 34.04,28.32 34.24,28.51 ; 39.7,44.43 39.7,45.03 ; 36.81,41.47 38.08,41.47 ; 41.15,30.86 41.15,31.03 41.19,31.08 41.02,31.08 ; 43.69,42.39 43.69,41.88 U1000.2L4 ; v1(38.1,41.48) v1(38.75,41.48) v1(39.4,41.48) v1(40.05,41.48) v1(40.7,41.48) v1(41.35,41.48) 41.35,42.13 v1(41.34,42.13) ; U1000.2M6 44.32,43.16 44.87,43.16 U1000.2N6 ; 32.64,26.92 32.76,26.92 33.53,27.69 33.53,27.8 32.64,26.92 ; 32.64,26.92 32.26,26.54 v1(32.26,26.37) ; 47.2,45.38 46.55,45.38 46.55,45.38 v1(46.55,46.03) ; v1(38.1,43.43) v1(38.74,43.43) ; 38.6,28.42 39.46,28.42 39.48,28.4 ; 41.32,48.53 41.32,47.93 ; v1(45.25,42.78) 45.25,43.43 ; U1000.2G10 40.77,45.96 ; U1000.2L8 43.31,44.1 43.31,44.07 ; v1(33.05,31.48) v1(33.62,32.06) ; 40.67,25.83 v1(39.97,25.83) ; U1000.1K21 U1000.1L21 ; 43.3,45.38 43.95,45.38 ; 38.75,43.43 v1(39.39,43.43) ; v1(38.92,47.93) 39.52,47.93
  TOP w0.191: U3900.C8 U3900.B8
  TOP w0.196: v1(43.92,44.76) 43.9,44.73 42.65,44.73 ; 44.6,43.43 45.9,43.43 ; U1000.2K8 U1000.2L8
  TOP w0.203: U1000.A29 32.58,51.13 v1(32.44,51.27) ; U1000.2V3 47.92,40.91 ; 47.92,40.91 48.16,40.91 48.37,40.7 ; 47.92,40.91 v1(47.87,40.91) ; v1(31.94,19.24) 32.53,18.66 v1(33.4,18.66) 34.34,18.66 v1(34.43,18.74) ; U3900.A5 48.46,24.63 48.77,24.33 48.77,24.32 v1(48.9,24.18) ; 45.46,39.75 45.03,39.75 U1000.2N1 ; U1000.2A6 37.32,43.31 ; 37.32,43.31 37.39,43.38 ; 37.32,43.31 36.35,43.31 ; U1000.AK25 48.48,48.69 48.44,48.69 48.39,48.64 ; 46.32,39.76 46.41,39.67 46.85,39.67 ; 41.69,47.71 v1(42.38,47.71) ; v1(34.72,40.73) U1000.1C9 ; U1000.2F6 40.37,43.11 40.68,43.42 v1(40.69,43.42) 40.69,43.43 41.02,43.76 U1000.2G7 41.02,43.76 41.32,44.06 41.32,44.07 v1(41.33,44.08) ; v1(38.32,36.53) U1000.1H1 v1(37.72,36.53) U1000.1H2 v1(38.32,36.53) ; v1(38.32,36.53) U1000.1J2 U1000.1K3 ; U1000.2E9 v1(39.4,44.73) U1000.2E8 ; v1(47.88,55.45) 47.74,55.45 45.81,53.52 v1(45.78,53.52) ; 37.39,43.38 37.5,43.38 U1000.2B6 ; 37.39,43.38 37.52,43.51 ; 37.39,43.38 37.45,43.33 37.45,42.78 ; 47.61,41.07 U1000.2U3 ; 47.61,41.07 47.77,40.91 v1(47.87,40.91) ; 47.61,41.07 47.61,40.65 ; v1(57.28,55.74) 57.14,55.74 v1(56.07,54.67) v1(55.05,53.66) ; v1(36.76,40.16) 36.82,40.16 U1000.2A1 ; C2328.2 46.22,105.27 46.22,105.8 v2(46.17,105.85) 46.22,105.91 46.22,106.28 46.41,106.47 C2326.2 46.41,106.73 46.11,107.03 v2(46.11,107.37) ; C2328.2 46.09,104.75 46.09,103.88 C2327.2 ; C2328.2 46.72,104.76 46.72,103.86 C2327.2 ; C2327.2 46.22,103.35 46.22,102.86 v2(46.17,102.81) ; 47.61,40.65 v1(47.87,40.91) ; 47.61,40.65 47.52,40.56 U1000.2U2 47.77,40.26 v1(47.87,40.26) ; v1(47.87,40.91) 47.87,40.81 ; 44.61,45.37 44.3,45.06 U1000.2M9 ; 44.61,45.37 U1000.2N9 ; 44.61,45.37 U1000.2M10 ; U1000.2V6 v1(47.85,42.78) U1000.2V5 U1000.2V4 ; v1(49.94,53.44) 48.23,51.72 v1(48.23,51.63) ; 43.92,40.16 43.91,40.15 43.33,40.15 ; v1(47.87,40.26) 47.52,39.91 U1000.2U1 ; v1(47.87,40.26) 47.87,40.81 ; v1(47.87,40.26) 47.87,40.16 U1000.2V1 U1000.2U1 ; v1(47.87,40.26) 48.12,40.51 U1000.2V2 47.87,40.81 ; U1000.1AC21 v1(47.32,47.93) ; 42.55,40.82 42.7,40.67 42.7,40.23 ; v1(40.7,41.48) U1000.2F4 v1(40.05,41.48) C1207.2 U1000.2E3 v1(39.4,41.48) ; 40.05,45.38 40,45.43 v1(40,45.98) ; U1000.1N2 v1(41.32,36.53) U1000.1P2 v1(41.92,36.53) ; U1000.2E5 39.72,42.46 v1(39.39,42.78) 39.07,43.11 U1000.2D6 ; 44.32,38.33 U1000.1W5 ; 54.64,37.98 56.09,37.98 56.12,37.96 v1(56.26,38.1) 56.22,38.14 56.05,38.14 ; 54.64,37.98 54.76,38.1 ; 54.64,37.98 54.52,38.1 ; 46.55,39.53 46.74,39.73 ; 46.74,39.73 47.39,39.73 ; 46.74,39.73 U1000.2T1 ; v1(47.28,36.49) 47.28,36.58 U1000.1AC2 v1(46.72,36.53) ; 45.52,37.83 45.52,37.81 45.56,37.77 U1000.1AA4 ; 45.52,37.83 v1(45.52,37.83) 45.42,37.83 U1000.1Y4 44.96,37.77 44.96,37.74 v1(44.9,37.68) 44.97,37.68 U1000.1Y3 45.48,37.7 45.48,37.79 45.52,37.83 ; U1000.2D6 38.75,43.43 v1(38.74,43.43) 38.74,43.43 U1000.2C6 v1(38.1,43.43) ; U1000.2D6 39.07,43.11 v1(39.39,43.43) ; U1000.2R10 v1(46.55,46.03) ; U1000.2R10 46.55,45.38 ; U1000.2R10 45.9,45.39 45.89,45.39 45.57,45.06 45.57,45.06 ; U1000.2M9 U1000.2M10 ; U1000.2M9 43.95,45.38 ; U1000.2M10 44.6,46.03 U1000.2M11 ; U1000.2M10 43.95,45.38 ; v1(46.72,36.53) U1000.1AB2 ; v1(46.72,36.53) U1000.1AC1 ; U1000.1AB2 46.12,37.13 ; U1000.1AB2 46.12,36.53 ; v1(51.31,12.95) 50.7,12.95 R3903.2 ; 38.3,39.51 38.3,39.51 U1000.1H6 ; Y1300.4 56.05,38.14 ; 56.05,38.14 56.01,38.1 54.76,38.1 ; 45.57,45.06 45.25,45.38 U1000.2N9 ; 45.57,45.06 U1000.2P9 ; U1000.2N9 45.24,44.74 v1(45.24,44.73) 45.25,44.73 U1000.2P9 ; U1000.2N9 U1000.2P9 ; v1(44.7,60.96) 44.58,60.84 44.58,59.07 44.32,58.81 v1(44.32,58.67) v1(44.32,57.4) 43.73,57.4 C1100.2 43.43,57.1 43.43,56.32 42.89,55.77 v1(42.66,55.77) ; 36.1,37.31 35.95,37.16 35.95,36.56 ; 36.1,37.31 35.75,37.31 U1000.1D3 U1000.1E2 ; 36.1,37.31 U1000.1E3 ; 33.57,37.68 34.07,37.68 ; U1000.1AA4 U1000.1AB5 46.72,38.93 U1000.1AC5 ; U1000.1AA4 46.12,37.73 ; U1000.2U1 47.39,39.73 ; U1000.1AC5 v1(47.32,38.33) U1000.1AC4 ; U1000.1AC5 46.81,38.42 v1(46.73,38.42) 46.73,38.33 U1000.1AC4 ; 54.76,38.1 54.52,38.1 ; v1(47.92,47.93) U1000.1AE20 ; v1(47.92,47.93) U1000.1AE21 ; v1(47.92,47.93) U1000.1AD20 ; U1000.2K8 43.62,43.76 ; U1000.1U6 43.8,39.61 v1(43.92,39.61) ; 52.41,62.01 v1(52.45,61.98) 52.45,61.86 51.07,60.48 v1(51.05,60.48) 51.05,60.46 49.74,59.15 ; 44.6,46.68 44.32,46.41 ; U1000.A1 v1(32.49,35.45) ; 42,44.09 42.32,44.41 U1000.2J8 42.39,44.48 ; U1000.1V6 44.32,39.53 U1000.1W6 44.32,38.93 ; U1000.2K1 42.7,40.13 42.7,40.23 ; 54.52,38.1 54.48,38.14 53.51,38.14 v1(53.5,38.13) ; U1000.1AC4 47.05,38.01 ; 47.71,39.67 47.33,39.67 ; 47.33,39.67 46.85,39.67 ; 47.33,39.67 47.39,39.73 ; 44.9,37.71 U1000.1W3 44.32,37.73 ; 42.7,40.23 U1000.2J1 42.07,39.61 v1(42.03,39.61) ; 42.7,40.23 U1000.2K2 ; 43.95,45.38 43.62,45.06 ; 37.52,43.51 37.52,44.01 ; 37.52,43.51 U1000.2B7 ; U1000.2V11 v1(47.85,46.03) ; U1000.2V11 48.17,46.1 48.37,45.9 48.37,46.55 U1000.2V11 ; U1000.AL1 49.37,35.64 v1(49.71,35.64) ; C3969.2 v1(47.13,13.01) ; U1000.1P24 41.89,50.3 v1(41.89,50.31) ; 42.65,44.73 42.49,44.58 ; 46.85,39.67 46.55,39.36 ; 37.72,47.93 U1000.1H21 ; 41.88,37.75 41.88,37.78 U1000.1P4 ; v1(45.25,42.78) U1000.2N6